# KiCad board Breadboard_power_supply.kicad_pcb
title: Breadboard power supply board; date: 2021-07-08; rev: V1.1.1.; company: SOLDERED; note: 333084
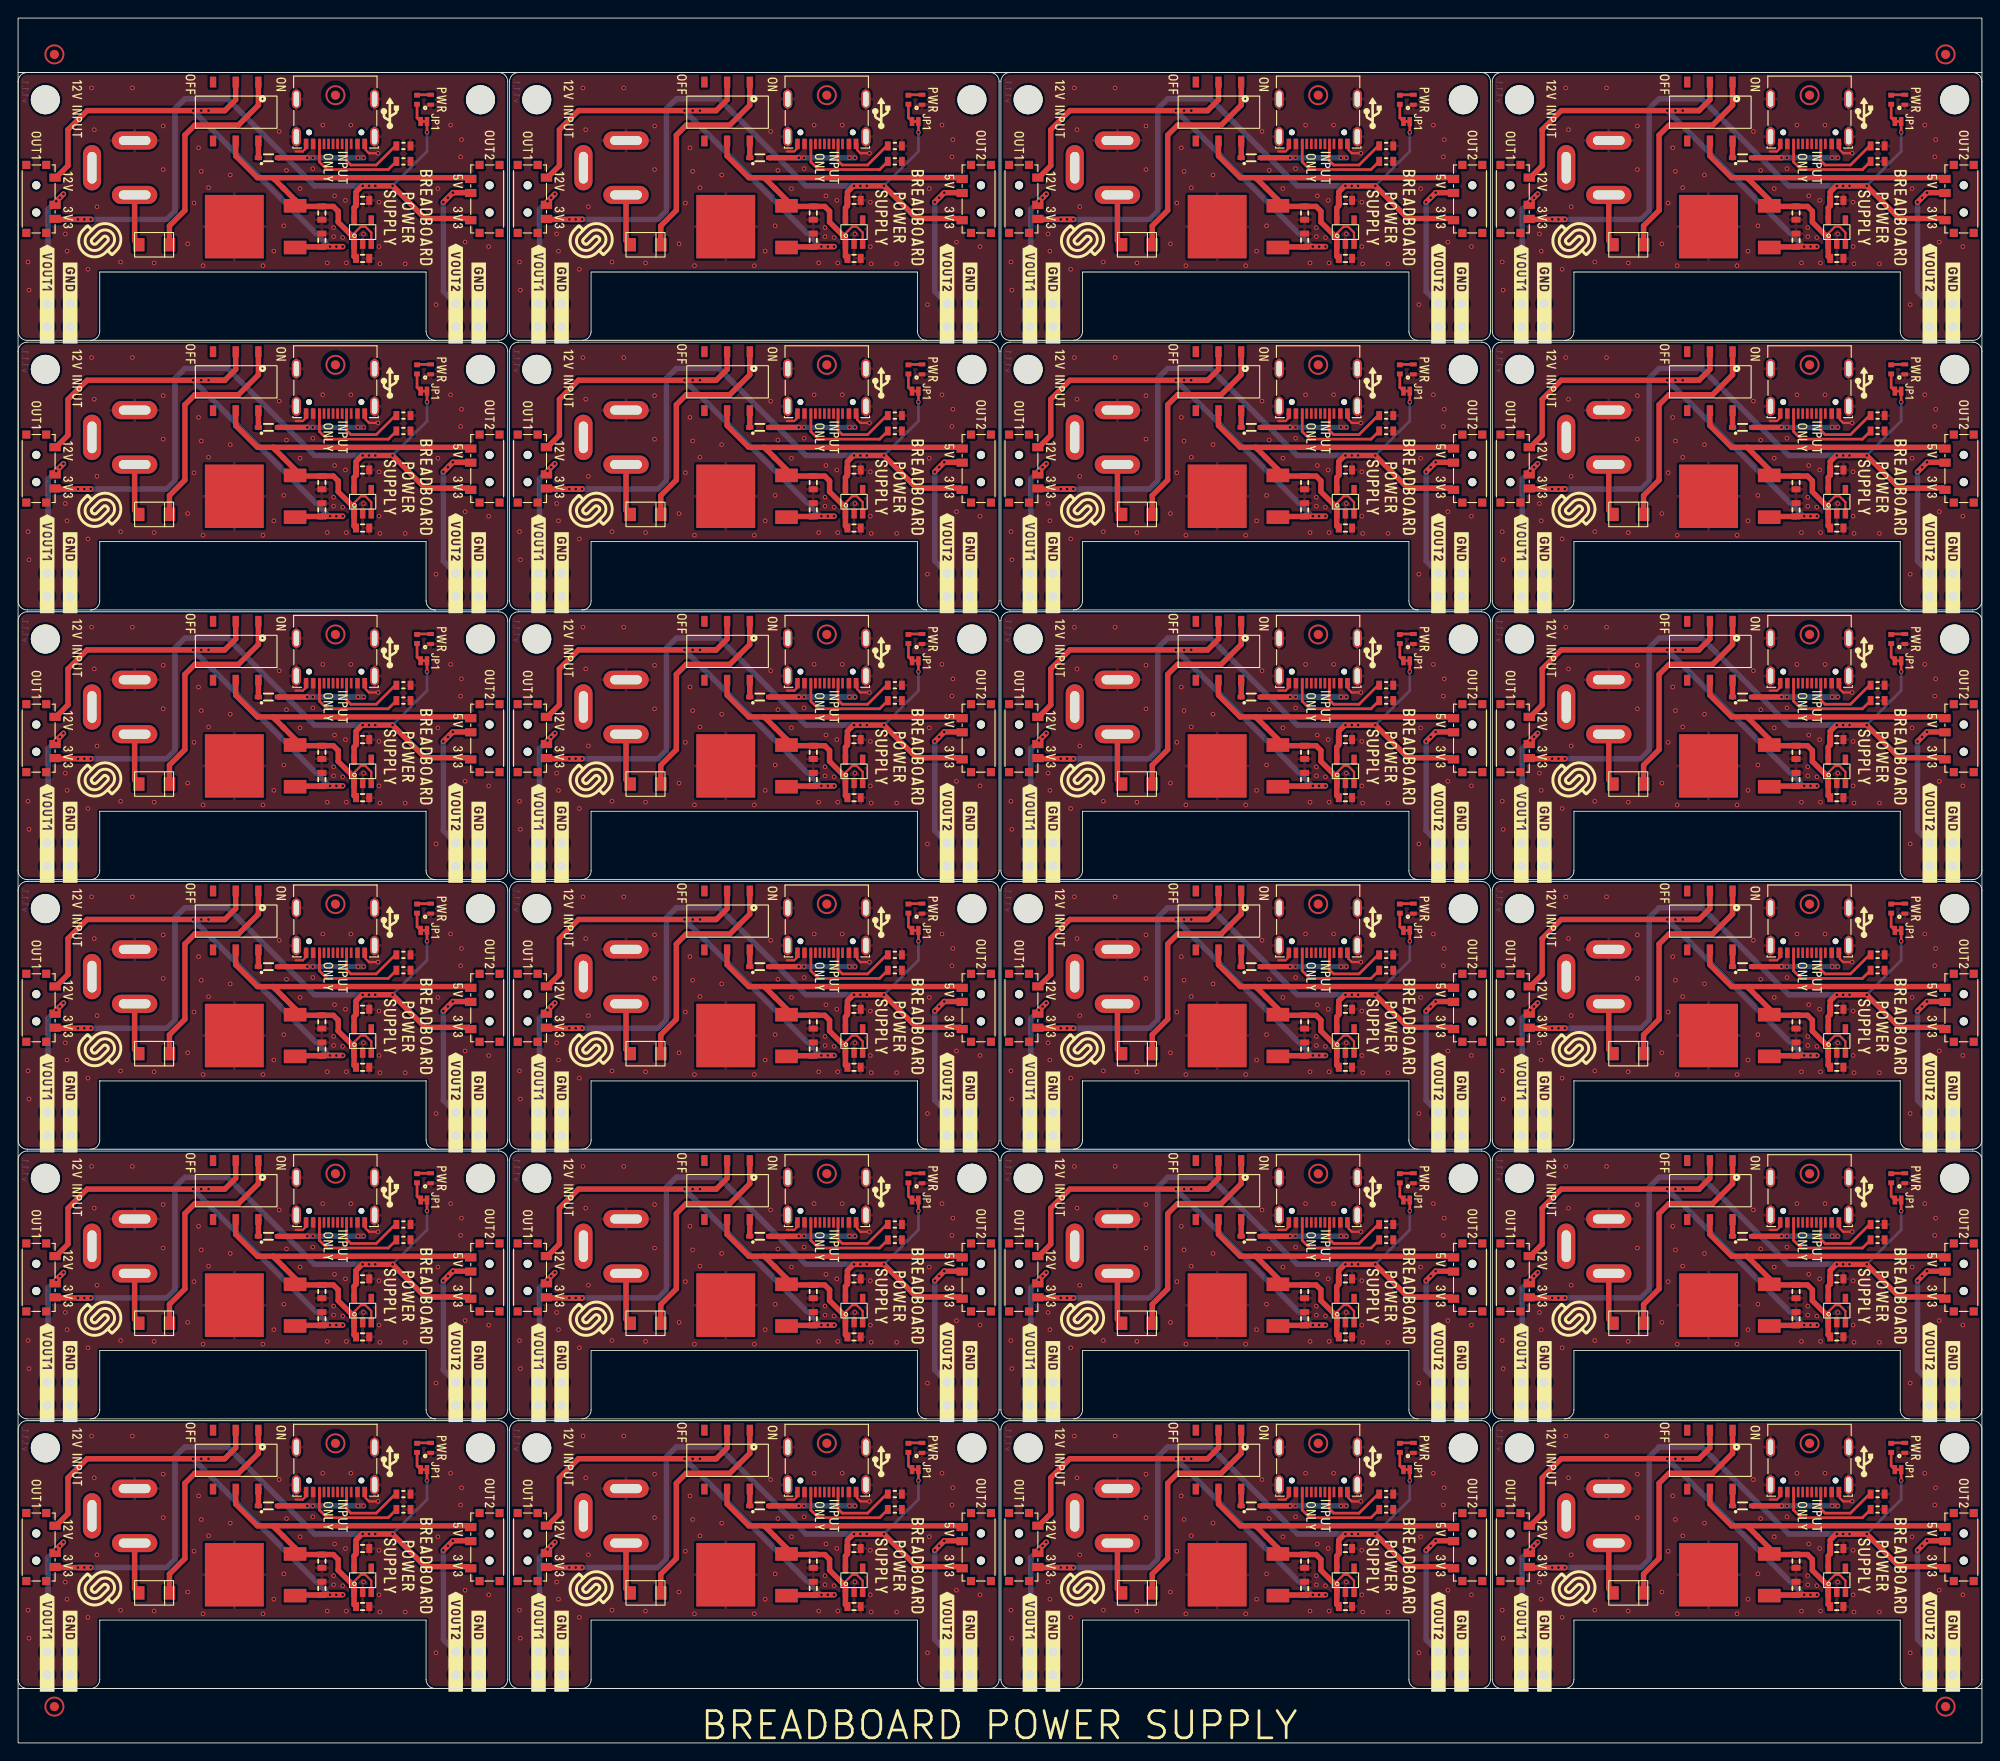
[diagram p0: board, top side]
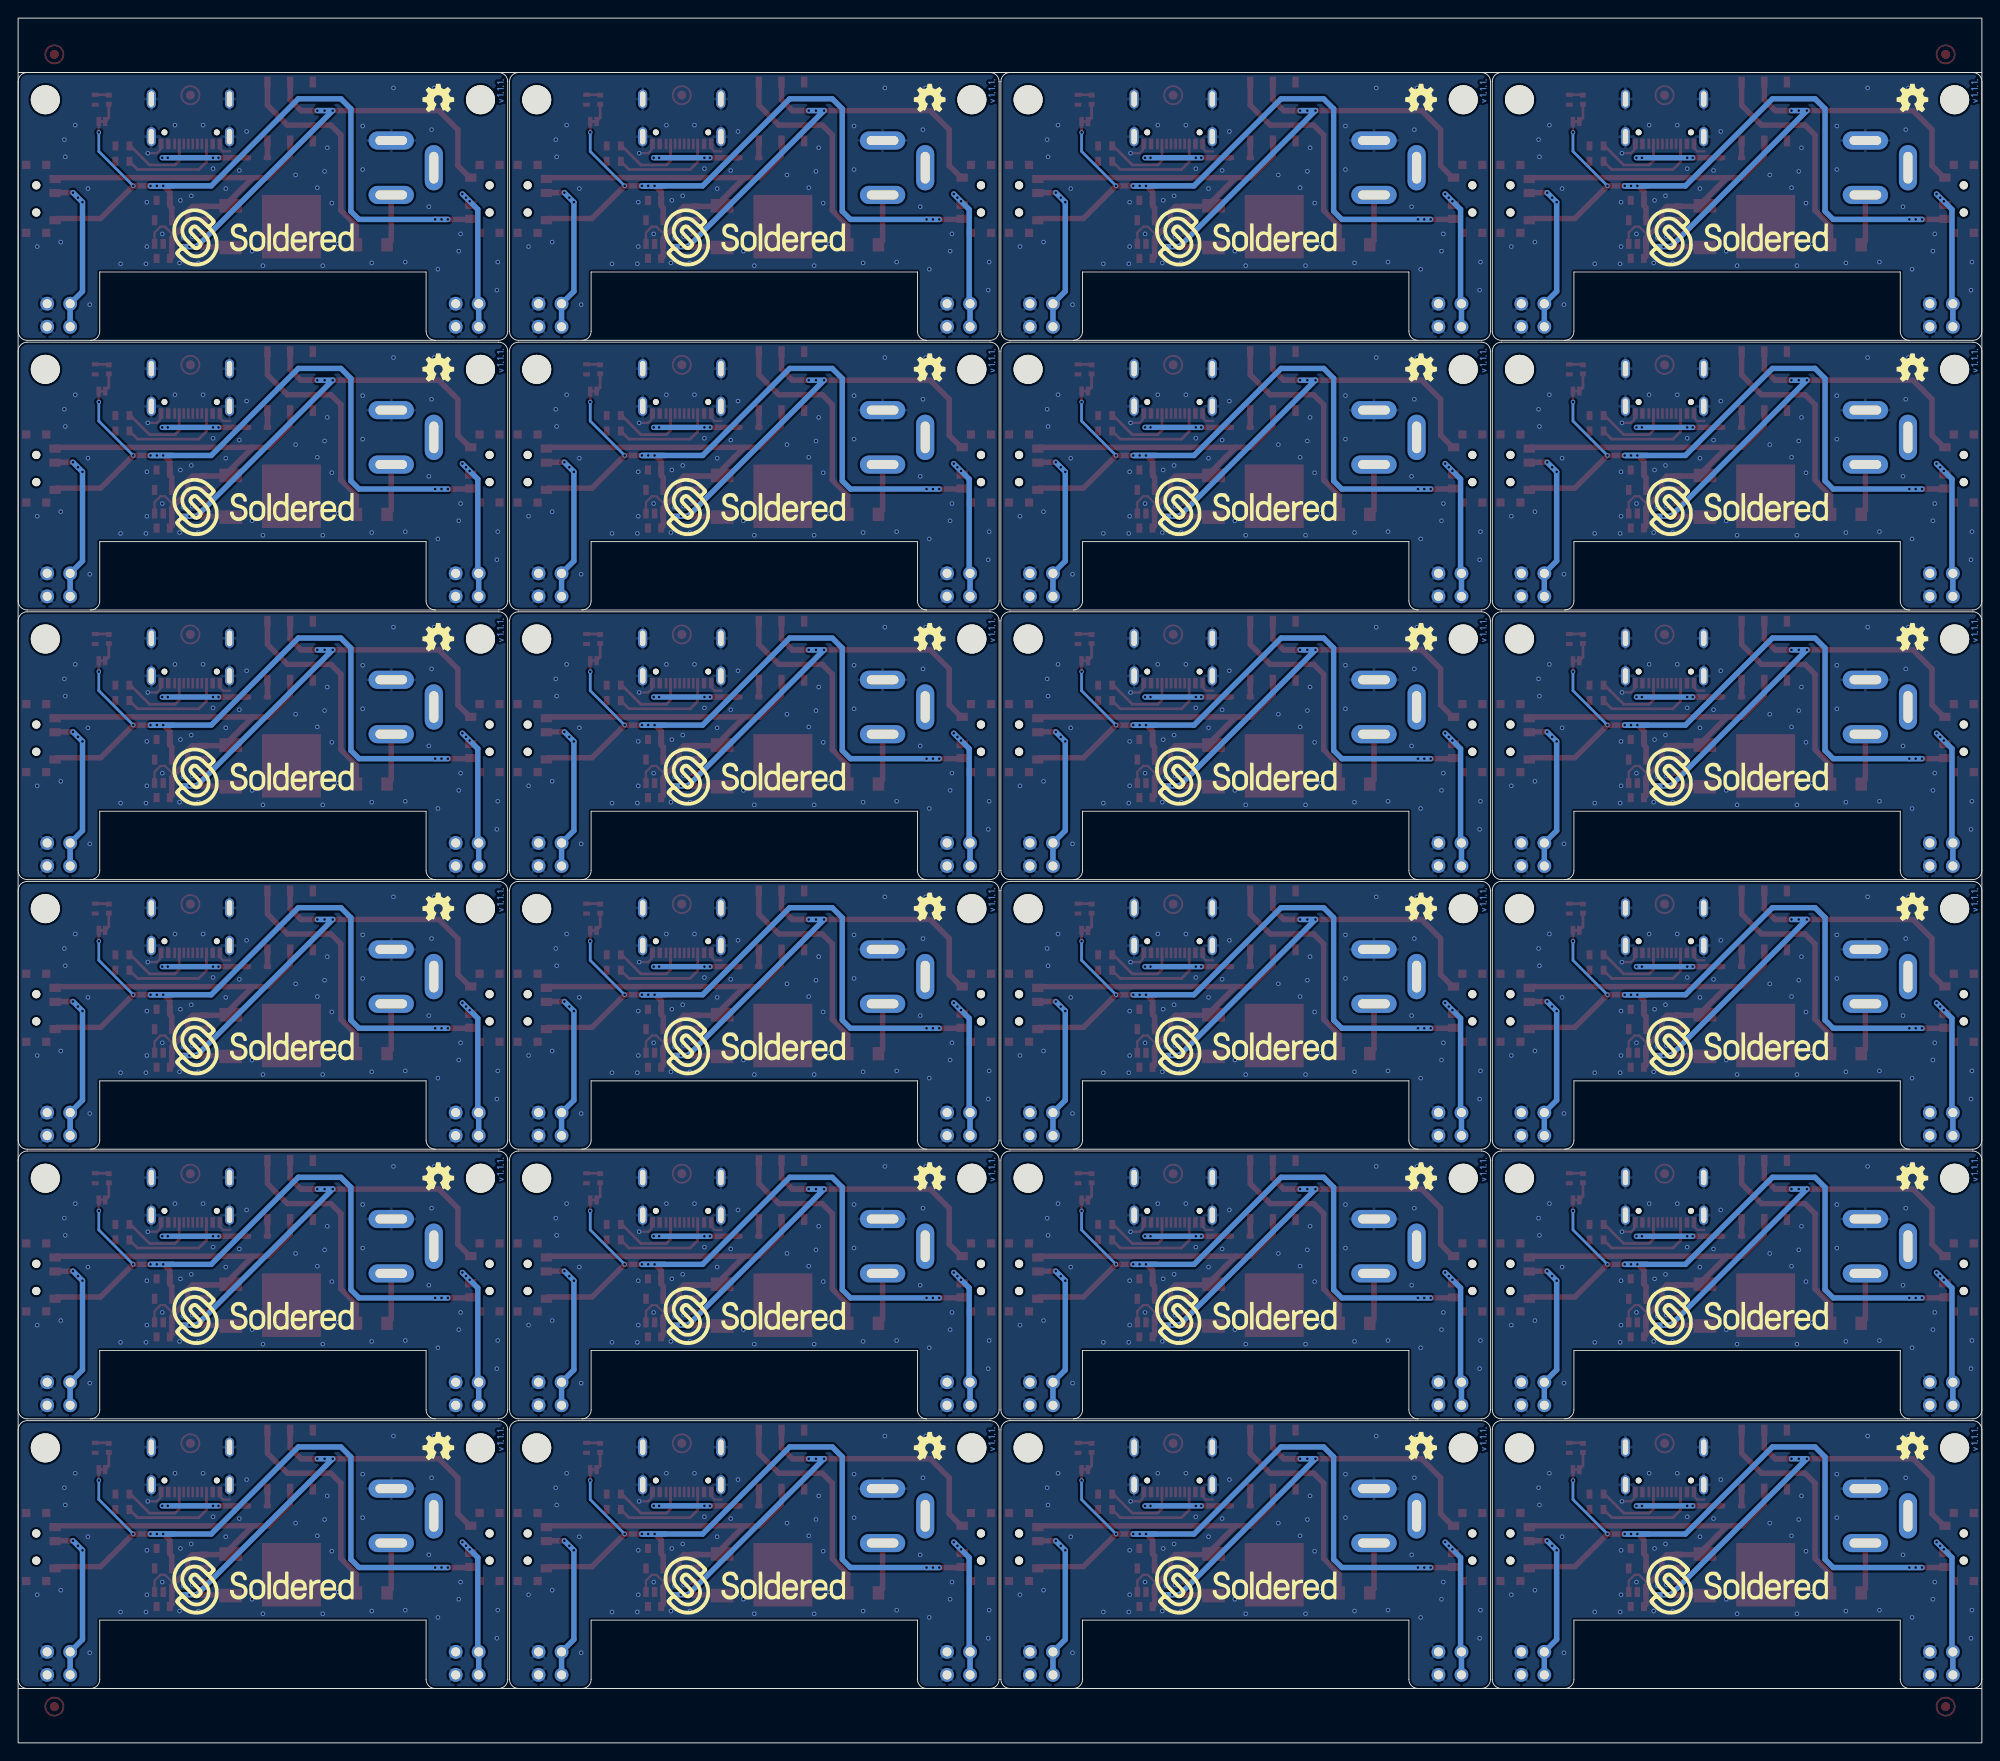
[diagram p1: board, bottom side, seen from below]

Outline 216.6 x 190.24 mm; copper layers: Top, Bottom. Coordinates in mm from the lower left corner of the outline.
Outline path: rectangle 0,190.24 216.6,184.24 ; rectangle 0,184.24 216.6,6 ; rectangle 0,6 216.6,0 ; 8,154.7 1,154.7 arc(0.29,154.99) 0,155.7 0,183.24 arc(0.29,183.95) 1,184.24 53,184.24 arc(53.71,183.95) 54,183.24 54,155.7 arc(53.71,154.99) 53,154.7 46,154.7 ; 8,154.7 46,154.7 ; 8,154.7 arc(8.71,154.99) 9,155.7 9,162.24 45,162.24 45,155.7 arc(45.29,154.99) 46,154.7 ; 8,124.96 1,124.96 arc(0.29,125.25) 0,125.96 0,153.5 arc(0.29,154.21) 1,154.5 53,154.5 arc(53.71,154.21) 54,153.5 54,125.96 arc(53.71,125.25) 53,124.96 46,124.96 ; 8,124.96 46,124.96 ; 8,124.96 arc(8.71,125.25) 9,125.96 9,132.5 45,132.5 45,125.96 arc(45.29,125.25) 46,124.96 ; 8,95.22 1,95.22 arc(0.29,95.51) 0,96.22 0,123.76 arc(0.29,124.47) 1,124.76 53,124.76 arc(53.71,124.47) 54,123.76 54,96.22 arc(53.71,95.51) 53,95.22 46,95.22 ; 8,95.22 46,95.22 ; 8,95.22 arc(8.71,95.51) 9,96.22 9,102.76 45,102.76 45,96.22 arc(45.29,95.51) 46,95.22 ; 8,65.48 1,65.48 arc(0.29,65.77) 0,66.48 0,94.02 arc(0.29,94.73) 1,95.02 53,95.02 arc(53.71,94.73) 54,94.02 54,66.48 arc(53.71,65.77) 53,65.48 46,65.48 ; 8,65.48 46,65.48 ; 8,65.48 arc(8.71,65.77) 9,66.48 9,73.02 45,73.02 45,66.48 arc(45.29,65.77) 46,65.48 ; 8,35.74 1,35.74 arc(0.29,36.03) 0,36.74 0,64.28 arc(0.29,64.99) 1,65.28 53,65.28 arc(53.71,64.99) 54,64.28 54,36.74 arc(53.71,36.03) 53,35.74 46,35.74 ; 8,35.74 46,35.74 ; 8,35.74 arc(8.71,36.03) 9,36.74 9,43.28 45,43.28 45,36.74 arc(45.29,36.03) 46,35.74 ; 62.2,154.7 55.2,154.7 arc(54.49,154.99) 54.2,155.7 54.2,183.24 arc(54.49,183.95) 55.2,184.24 107.2,184.24 arc(107.91,183.95) 108.2,183.24 108.2,155.7 arc(107.91,154.99) 107.2,154.7 100.2,154.7 ; 62.2,154.7 100.2,154.7 ; 62.2,154.7 arc(62.91,154.99) 63.2,155.7 63.2,162.24 99.2,162.24 99.2,155.7 arc(99.49,154.99) 100.2,154.7 ; 62.2,124.96 55.2,124.96 arc(54.49,125.25) 54.2,125.96 54.2,153.5 arc(54.49,154.21) 55.2,154.5 107.2,154.5 arc(107.91,154.21) 108.2,153.5 108.2,125.96 arc(107.91,125.25) 107.2,124.96 100.2,124.96 ; 62.2,124.96 100.2,124.96 ; 62.2,124.96 arc(62.91,125.25) 63.2,125.96 63.2,132.5 99.2,132.5 99.2,125.96 arc(99.49,125.25) 100.2,124.96 ; 62.2,95.22 55.2,95.22 arc(54.49,95.51) 54.2,96.22 54.2,123.76 arc(54.49,124.47) 55.2,124.76 107.2,124.76 arc(107.91,124.47) 108.2,123.76 108.2,96.22 arc(107.91,95.51) 107.2,95.22 100.2,95.22 ; 62.2,95.22 100.2,95.22 ; 62.2,95.22 arc(62.91,95.51) 63.2,96.22 63.2,102.76 99.2,102.76 99.2,96.22 arc(99.49,95.51) 100.2,95.22 ; 62.2,65.48 55.2,65.48 arc(54.49,65.77) 54.2,66.48 54.2,94.02 arc(54.49,94.73) 55.2,95.02 107.2,95.02 arc(107.91,94.73) 108.2,94.02 108.2,66.48 arc(107.91,65.77) 107.2,65.48 100.2,65.48 ; 62.2,65.48 100.2,65.48 ; 62.2,65.48 arc(62.91,65.77) 63.2,66.48 63.2,73.02 99.2,73.02 99.2,66.48 arc(99.49,65.77) 100.2,65.48 ; 62.2,35.74 55.2,35.74 arc(54.49,36.03) 54.2,36.74 54.2,64.28 arc(54.49,64.99) 55.2,65.28 107.2,65.28 arc(107.91,64.99) 108.2,64.28 108.2,36.74 arc(107.91,36.03) 107.2,35.74 100.2,35.74 ; 62.2,35.74 100.2,35.74 ; 62.2,35.74 arc(62.91,36.03) 63.2,36.74 63.2,43.28 99.2,43.28 99.2,36.74 arc(99.49,36.03) 100.2,35.74 ; 116.4,154.7 109.4,154.7 arc(108.69,154.99) 108.4,155.7 108.4,183.24 arc(108.69,183.95) 109.4,184.24 161.4,184.24 arc(162.11,183.95) 162.4,183.24 162.4,155.7 arc(162.11,154.99) 161.4,154.7 154.4,154.7 ; 116.4,154.7 154.4,154.7 ; 116.4,154.7 arc(117.11,154.99) 117.4,155.7 117.4,162.24 153.4,162.24 153.4,155.7 arc(153.69,154.99) 154.4,154.7 ; 116.4,124.96 109.4,124.96 arc(108.69,125.25) 108.4,125.96 108.4,153.5 arc(108.69,154.21) 109.4,154.5 161.4,154.5 arc(162.11,154.21) 162.4,153.5 162.4,125.96 arc(162.11,125.25) 161.4,124.96 154.4,124.96 ; 116.4,124.96 154.4,124.96 ; 116.4,124.96 arc(117.11,125.25) 117.4,125.96 117.4,132.5 153.4,132.5 153.4,125.96 arc(153.69,125.25) 154.4,124.96 ; 116.4,95.22 109.4,95.22 arc(108.69,95.51) 108.4,96.22 108.4,123.76 arc(108.69,124.47) 109.4,124.76 161.4,124.76 arc(162.11,124.47) 162.4,123.76 162.4,96.22 arc(162.11,95.51) 161.4,95.22 154.4,95.22 ; 116.4,95.22 154.4,95.22 ; 116.4,95.22 arc(117.11,95.51) 117.4,96.22 117.4,102.76 153.4,102.76 153.4,96.22 arc(153.69,95.51) 154.4,95.22 ; 116.4,65.48 109.4,65.48 arc(108.69,65.77) 108.4,66.48 108.4,94.02 arc(108.69,94.73) 109.4,95.02 161.4,95.02 arc(162.11,94.73) 162.4,94.02 162.4,66.48 arc(162.11,65.77) 161.4,65.48 154.4,65.48 ; 116.4,65.48 154.4,65.48 ; 116.4,65.48 arc(117.11,65.77) 117.4,66.48 117.4,73.02 153.4,73.02 153.4,66.48 arc(153.69,65.77) 154.4,65.48 ; 116.4,35.74 109.4,35.74 arc(108.69,36.03) 108.4,36.74 108.4,64.28 arc(108.69,64.99) 109.4,65.28 161.4,65.28 arc(162.11,64.99) 162.4,64.28 162.4,36.74 arc(162.11,36.03) 161.4,35.74 154.4,35.74 ; 116.4,35.74 154.4,35.74 ; 116.4,35.74 arc(117.11,36.03) 117.4,36.74 117.4,43.28 153.4,43.28 153.4,36.74 arc(153.69,36.03) 154.4,35.74 ; 170.6,154.7 163.6,154.7 arc(162.89,154.99) 162.6,155.7 162.6,183.24 arc(162.89,183.95) 163.6,184.24 215.6,184.24 arc(216.31,183.95) 216.6,183.24 216.6,155.7 arc(216.31,154.99) 215.6,154.7 208.6,154.7 ; 170.6,154.7 208.6,154.7 ; 170.6,154.7 arc(171.31,154.99) 171.6,155.7 171.6,162.24 207.6,162.24 207.6,155.7 arc(207.89,154.99) 208.6,154.7 ; 170.6,124.96 163.6,124.96 arc(162.89,125.25) 162.6,125.96 162.6,153.5 arc(162.89,154.21) 163.6,154.5 215.6,154.5 arc(216.31,154.21) 216.6,153.5 216.6,125.96 arc(216.31,125.25) 215.6,124.96 208.6,124.96 ; 170.6,124.96 208.6,124.96 ; 170.6,124.96 arc(171.31,125.25) 171.6,125.96 171.6,132.5 207.6,132.5 207.6,125.96 arc(207.89,125.25) 208.6,124.96 ; 170.6,95.22 163.6,95.22 arc(162.89,95.51) 162.6,96.22 162.6,123.76 arc(162.89,124.47) 163.6,124.76 215.6,124.76 arc(216.31,124.47) 216.6,123.76 216.6,96.22 arc(216.31,95.51) 215.6,95.22 208.6,95.22 ; 170.6,95.22 208.6,95.22 ; 170.6,95.22 arc(171.31,95.51) 171.6,96.22 171.6,102.76 207.6,102.76 207.6,96.22 arc(207.89,95.51) 208.6,95.22 ; 170.6,65.48 163.6,65.48 arc(162.89,65.77) 162.6,66.48 162.6,94.02 arc(162.89,94.73) 163.6,95.02 215.6,95.02 arc(216.31,94.73) 216.6,94.02 216.6,66.48 arc(216.31,65.77) 215.6,65.48 208.6,65.48 ; 170.6,65.48 208.6,65.48 ; 170.6,65.48 arc(171.31,65.77) 171.6,66.48 171.6,73.02 207.6,73.02 207.6,66.48 arc(207.89,65.77) 208.6,65.48 ; 170.6,35.74 163.6,35.74 arc(162.89,36.03) 162.6,36.74 162.6,64.28 arc(162.89,64.99) 163.6,65.28 215.6,65.28 arc(216.31,64.99) 216.6,64.28 216.6,36.74 arc(216.31,36.03) 215.6,35.74 208.6,35.74 ; 170.6,35.74 208.6,35.74 ; 170.6,35.74 arc(171.31,36.03) 171.6,36.74 171.6,43.28 207.6,43.28 207.6,36.74 arc(207.89,36.03) 208.6,35.74 ; 0,34.54 arc(0.29,35.25) 1,35.54 53,35.54 arc(53.71,35.25) 54,34.54 54,7 arc(53.71,6.29) 53,6 46,6 arc(45.29,6.29) 45,7 45,13.54 9,13.54 9,7 arc(8.71,6.29) 8,6 1,6 arc(0.29,6.29) 0,7 0,34.54 ; 54.2,34.54 arc(54.49,35.25) 55.2,35.54 107.2,35.54 arc(107.91,35.25) 108.2,34.54 108.2,7 arc(107.91,6.29) 107.2,6 100.2,6 arc(99.49,6.29) 99.2,7 99.2,13.54 63.2,13.54 63.2,7 arc(62.91,6.29) 62.2,6 55.2,6 arc(54.49,6.29) 54.2,7 54.2,34.54 ; 108.4,34.54 arc(108.69,35.25) 109.4,35.54 161.4,35.54 arc(162.11,35.25) 162.4,34.54 162.4,7 arc(162.11,6.29) 161.4,6 154.4,6 arc(153.69,6.29) 153.4,7 153.4,13.54 117.4,13.54 117.4,7 arc(117.11,6.29) 116.4,6 109.4,6 arc(108.69,6.29) 108.4,7 108.4,34.54 ; 162.6,34.54 arc(162.89,35.25) 163.6,35.54 215.6,35.54 arc(216.31,35.25) 216.6,34.54 216.6,7 arc(216.31,6.29) 215.6,6 208.6,6 arc(207.89,6.29) 207.6,7 207.6,13.54 171.6,13.54 171.6,7 arc(171.31,6.29) 170.6,6 163.6,6 arc(162.89,6.29) 162.6,7 162.6,34.54
Stack: Top 0.035mm / dielectric 1.51mm FR4 er 4.5 / Bottom 0.035mm

## Placement (name value [footprint] x y rotation side)
C1  2.2uF  [0603C]  200.6 163.74 180 top
C1#2  2.2uF  [0603C]  38 104.26 180 top
C1#3  2.2uF  [0603C]  38 74.52 180 top
C1#4  2.2uF  [0603C]  146.4 104.26 180 top
C1#5  2.2uF  [0603C]  38 163.74 180 top
C1#6  2.2uF  [0603C]  146.4 15.04 180 top
C1#7  2.2uF  [0603C]  200.6 15.04 180 top
C1#8  2.2uF  [0603C]  38 15.04 180 top
C1#9  2.2uF  [0603C]  92.2 74.52 180 top
C1#10  2.2uF  [0603C]  146.4 74.52 180 top
C1#11  2.2uF  [0603C]  92.2 15.04 180 top
C1#12  2.2uF  [0603C]  200.6 74.52 180 top
C1#13  2.2uF  [0603C]  92.2 104.26 180 top
C1#14  2.2uF  [0603C]  92.2 134 180 top
C1#15  2.2uF  [0603C]  38 134 180 top
C1#16  2.2uF  [0603C]  146.4 44.78 180 top
C1#17  2.2uF  [0603C]  92.2 163.74 180 top
C1#18  2.2uF  [0603C]  146.4 163.74 180 top
C1#19  2.2uF  [0603C]  92.2 44.78 180 top
C1#20  2.2uF  [0603C]  200.6 134 180 top
C1#21  2.2uF  [0603C]  200.6 104.26 180 top
C1#22  2.2uF  [0603C]  200.6 44.78 180 top
C1#23  2.2uF  [0603C]  38 44.78 180 top
C1#24  2.2uF  [0603C]  146.4 134 180 top
C2  1uF  [0603C]  33.5 17.04 270 top
C2#2  1uF  [0603C]  141.9 46.78 270 top
C2#3  1uF  [0603C]  87.7 76.52 270 top
C2#4  1uF  [0603C]  33.5 165.74 270 top
C2#5  1uF  [0603C]  87.7 106.26 270 top
C2#6  1uF  [0603C]  87.7 46.78 270 top
C2#7  1uF  [0603C]  196.1 136 270 top
C2#8  1uF  [0603C]  141.9 106.26 270 top
C2#9  1uF  [0603C]  196.1 17.04 270 top
C2#10  1uF  [0603C]  196.1 165.74 270 top
C2#11  1uF  [0603C]  196.1 76.52 270 top
C2#12  1uF  [0603C]  141.9 136 270 top
C2#13  1uF  [0603C]  141.9 165.74 270 top
C2#14  1uF  [0603C]  141.9 17.04 270 top
C2#15  1uF  [0603C]  33.5 76.52 270 top
C2#16  1uF  [0603C]  87.7 165.74 270 top
C2#17  1uF  [0603C]  141.9 76.52 270 top
C2#18  1uF  [0603C]  87.7 136 270 top
C2#19  1uF  [0603C]  33.5 136 270 top
C2#20  1uF  [0603C]  196.1 46.78 270 top
C2#21  1uF  [0603C]  33.5 106.26 270 top
C2#22  1uF  [0603C]  87.7 17.04 270 top
C2#23  1uF  [0603C]  196.1 106.26 270 top
C2#24  1uF  [0603C]  33.5 46.78 270 top
C3  0.1uF  [0603C]  33.5 79.52 90 top
C3#2  0.1uF  [0603C]  87.7 79.52 90 top
C3#3  0.1uF  [0603C]  33.5 109.26 90 top
C3#4  0.1uF  [0603C]  141.9 109.26 90 top
C3#5  0.1uF  [0603C]  33.5 49.78 90 top
C3#6  0.1uF  [0603C]  196.1 79.52 90 top
C3#7  0.1uF  [0603C]  141.9 168.74 90 top
C3#8  0.1uF  [0603C]  87.7 139 90 top
C3#9  0.1uF  [0603C]  196.1 139 90 top
C3#10  0.1uF  [0603C]  141.9 79.52 90 top
C3#11  0.1uF  [0603C]  141.9 49.78 90 top
C3#12  0.1uF  [0603C]  33.5 20.04 90 top
C3#13  0.1uF  [0603C]  196.1 168.74 90 top
C3#14  0.1uF  [0603C]  87.7 109.26 90 top
C3#15  0.1uF  [0603C]  196.1 20.04 90 top
C3#16  0.1uF  [0603C]  87.7 168.74 90 top
C3#17  0.1uF  [0603C]  141.9 20.04 90 top
C3#18  0.1uF  [0603C]  33.5 139 90 top
C3#19  0.1uF  [0603C]  196.1 49.78 90 top
C3#20  0.1uF  [0603C]  87.7 49.78 90 top
C3#21  0.1uF  [0603C]  141.9 139 90 top
C3#22  0.1uF  [0603C]  33.5 168.74 90 top
C3#23  0.1uF  [0603C]  87.7 20.04 90 top
C3#24  0.1uF  [0603C]  196.1 109.26 90 top
C4  2.2uF  [0603C]  200.6 80.92 180 top
C4#2  2.2uF  [0603C]  92.2 51.18 180 top
C4#3  2.2uF  [0603C]  200.6 21.44 180 top
C4#4  2.2uF  [0603C]  200.6 110.66 180 top
C4#5  2.2uF  [0603C]  146.4 80.92 180 top
C4#6  2.2uF  [0603C]  200.6 140.4 180 top
C4#7  2.2uF  [0603C]  146.4 21.44 180 top
C4#8  2.2uF  [0603C]  92.2 140.4 180 top
C4#9  2.2uF  [0603C]  38 140.4 180 top
C4#10  2.2uF  [0603C]  200.6 51.18 180 top
C4#11  2.2uF  [0603C]  38 170.14 180 top
C4#12  2.2uF  [0603C]  38 51.18 180 top
C4#13  2.2uF  [0603C]  38 110.66 180 top
C4#14  2.2uF  [0603C]  38 80.92 180 top
C4#15  2.2uF  [0603C]  38 21.44 180 top
C4#16  2.2uF  [0603C]  146.4 51.18 180 top
C4#17  2.2uF  [0603C]  92.2 80.92 180 top
C4#18  2.2uF  [0603C]  92.2 170.14 180 top
C4#19  2.2uF  [0603C]  146.4 170.14 180 top
C4#20  2.2uF  [0603C]  146.4 110.66 180 top
C4#21  2.2uF  [0603C]  146.4 140.4 180 top
C4#22  2.2uF  [0603C]  200.6 170.14 180 top
C4#23  2.2uF  [0603C]  92.2 110.66 180 top
C4#24  2.2uF  [0603C]  92.2 21.44 180 top
D1  BAT20J  [SOD-323]  190.2 174.84 180 top
D1#2  BAT20J  [SOD-323]  27.6 85.62 180 top
D1#3  BAT20J  [SOD-323]  81.8 26.14 180 top
D1#4  BAT20J  [SOD-323]  81.8 174.84 180 top
D1#5  BAT20J  [SOD-323]  27.6 55.88 180 top
D1#6  BAT20J  [SOD-323]  190.2 115.36 180 top
D1#7  BAT20J  [SOD-323]  136 26.14 180 top
D1#8  BAT20J  [SOD-323]  136 115.36 180 top
D1#9  BAT20J  [SOD-323]  136 85.62 180 top
D1#10  BAT20J  [SOD-323]  27.6 145.1 180 top
D1#11  BAT20J  [SOD-323]  190.2 85.62 180 top
D1#12  BAT20J  [SOD-323]  190.2 145.1 180 top
D1#13  BAT20J  [SOD-323]  81.8 115.36 180 top
D1#14  BAT20J  [SOD-323]  27.6 26.14 180 top
D1#15  BAT20J  [SOD-323]  27.6 115.36 180 top
D1#16  BAT20J  [SOD-323]  136 174.84 180 top
D1#17  BAT20J  [SOD-323]  190.2 55.88 180 top
D1#18  BAT20J  [SOD-323]  136 55.88 180 top
D1#19  BAT20J  [SOD-323]  81.8 145.1 180 top
D1#20  BAT20J  [SOD-323]  81.8 55.88 180 top
D1#21  BAT20J  [SOD-323]  136 145.1 180 top
D1#22  BAT20J  [SOD-323]  190.2 26.14 180 top
D1#23  BAT20J  [SOD-323]  81.8 85.62 180 top
D1#24  BAT20J  [SOD-323]  27.6 174.84 180 top
D2  -  [M4_DIODA]  177.6 165.24 0 top
D2#2  -  [M4_DIODA]  15 105.76 0 top
D2#3  -  [M4_DIODA]  15 46.28 0 top
D2#4  -  [M4_DIODA]  123.4 46.28 0 top
D2#5  -  [M4_DIODA]  177.6 76.02 0 top
D2#6  -  [M4_DIODA]  123.4 165.24 0 top
D2#7  -  [M4_DIODA]  123.4 76.02 0 top
D2#8  -  [M4_DIODA]  123.4 16.54 0 top
D2#9  -  [M4_DIODA]  69.2 135.5 0 top
D2#10  -  [M4_DIODA]  69.2 46.28 0 top
D2#11  -  [M4_DIODA]  123.4 135.5 0 top
D2#12  -  [M4_DIODA]  15 76.02 0 top
D2#13  -  [M4_DIODA]  69.2 165.24 0 top
D2#14  -  [M4_DIODA]  177.6 135.5 0 top
D2#15  -  [M4_DIODA]  69.2 76.02 0 top
D2#16  -  [M4_DIODA]  15 135.5 0 top
D2#17  -  [M4_DIODA]  15 16.54 0 top
D2#18  -  [M4_DIODA]  123.4 105.76 0 top
D2#19  -  [M4_DIODA]  69.2 105.76 0 top
D2#20  -  [M4_DIODA]  15 165.24 0 top
D2#21  -  [M4_DIODA]  177.6 46.28 0 top
D2#22  -  [M4_DIODA]  69.2 16.54 0 top
D2#23  -  [M4_DIODA]  177.6 105.76 0 top
D2#24  -  [M4_DIODA]  177.6 16.54 0 top
D3  purple  [0402LED]  208.1 151.5 270 top
D3#2  purple  [0402LED]  153.9 181.24 270 top
D3#3  purple  [0402LED]  153.9 121.76 270 top
D3#4  purple  [0402LED]  208.1 121.76 270 top
D3#5  purple  [0402LED]  45.5 121.76 270 top
D3#6  purple  [0402LED]  208.1 62.28 270 top
D3#7  purple  [0402LED]  153.9 32.54 270 top
D3#8  purple  [0402LED]  45.5 62.28 270 top
D3#9  purple  [0402LED]  99.7 121.76 270 top
D3#10  purple  [0402LED]  208.1 32.54 270 top
D3#11  purple  [0402LED]  99.7 92.02 270 top
D3#12  purple  [0402LED]  45.5 151.5 270 top
D3#13  purple  [0402LED]  45.5 92.02 270 top
D3#14  purple  [0402LED]  153.9 151.5 270 top
D3#15  purple  [0402LED]  153.9 92.02 270 top
D3#16  purple  [0402LED]  99.7 151.5 270 top
D3#17  purple  [0402LED]  45.5 181.24 270 top
D3#18  purple  [0402LED]  153.9 62.28 270 top
D3#19  purple  [0402LED]  45.5 32.54 270 top
D3#20  purple  [0402LED]  99.7 62.28 270 top
D3#21  purple  [0402LED]  208.1 181.24 270 top
D3#22  purple  [0402LED]  99.7 32.54 270 top
D3#23  purple  [0402LED]  99.7 181.24 270 top
D3#24  purple  [0402LED]  208.1 92.02 270 top
FD1  FIDUCIAL  [FIDUCIAL_23]  89.2 152 270 top
FD1#2  FIDUCIAL  [FIDUCIAL_23]  35 33.04 270 top
FD1#3  FIDUCIAL  [FIDUCIAL_23]  143.4 152 270 top
FD1#4  FIDUCIAL  [FIDUCIAL_23]  143.4 92.52 270 top
FD1#5  FIDUCIAL  [FIDUCIAL_23]  35 152 270 top
FD1#6  FIDUCIAL  [FIDUCIAL_23]  4 186.24 270 top
FD1#7  FIDUCIAL  [FIDUCIAL_23]  197.6 181.74 270 top
FD1#8  FIDUCIAL  [FIDUCIAL_23]  89.2 62.78 270 top
FD1#9  FIDUCIAL  [FIDUCIAL_23]  212.6 4 270 top
FD1#10  FIDUCIAL  [FIDUCIAL_23]  143.4 62.78 270 top
FD1#11  FIDUCIAL  [FIDUCIAL_23]  197.6 33.04 270 top
FD1#12  FIDUCIAL  [FIDUCIAL_23]  197.6 152 270 top
FD1#13  FIDUCIAL  [FIDUCIAL_23]  89.2 122.26 270 top
FD1#14  FIDUCIAL  [FIDUCIAL_23]  35 181.74 270 top
FD1#15  FIDUCIAL  [FIDUCIAL_23]  143.4 181.74 270 top
FD1#16  FIDUCIAL  [FIDUCIAL_23]  197.6 92.52 270 top
FD1#17  FIDUCIAL  [FIDUCIAL_23]  143.4 33.04 270 top
FD1#18  FIDUCIAL  [FIDUCIAL_23]  197.6 62.78 270 top
FD1#19  FIDUCIAL  [FIDUCIAL_23]  35 122.26 270 top
FD1#20  FIDUCIAL  [FIDUCIAL_23]  197.6 122.26 270 top
FD1#21  FIDUCIAL  [FIDUCIAL_23]  89.2 33.04 270 top
FD1#22  FIDUCIAL  [FIDUCIAL_23]  143.4 122.26 270 top
FD1#23  FIDUCIAL  [FIDUCIAL_23]  89.2 181.74 270 top
FD1#24  FIDUCIAL  [FIDUCIAL_23]  212.6 186.24 270 top
FD1#25  FIDUCIAL  [FIDUCIAL_23]  89.2 92.52 270 top
FD1#26  FIDUCIAL  [FIDUCIAL_23]  35 62.78 270 top
FD1#27  FIDUCIAL  [FIDUCIAL_23]  35 92.52 270 top
FD1#28  FIDUCIAL  [FIDUCIAL_23]  4 4 270 top
G***  LOGO  [Logo-Back-OSH-3.5mm]  170.26 121.95 0 top
G***#2  LOGO  [Logo-Back-OSH-3.5mm]  61.86 62.47 0 top
G***#3  LOGO  [Symbol-Front-USB]  95.2 179.74 0 top
G***#4  LOGO  [Logo-Back-OSH-3.5mm]  170.26 181.43 0 top
G***#5  LOGO  [Logo-Front-Soldered-5mm]  9 136 270 top
G***#6  LOGO  [Logo-Front-Soldered-5mm]  117.4 106.26 270 top
G***#7  LOGO  [Logo-Front-Soldered-5mm]  63.2 136 270 top
G***#8  LOGO  [Logo-Back-OSH-3.5mm]  116.06 151.69 0 top
G***#9  LOGO  [Symbol-Front-USB]  203.6 31.04 0 top
G***#10  LOGO  [Symbol-Front-USB]  41 60.78 0 top
G***#11  LOGO  [Logo-Front-Soldered-5mm]  171.6 46.78 270 top
G***#12  LOGO  [Logo-Back-OSH-3.5mm]  116.06 32.73 0 top
G***#13  LOGO  [Symbol-Front-USB]  41 120.26 0 top
G***#14  LOGO  [Symbol-Front-USB]  203.6 179.74 0 top
G***#15  LOGO  [Symbol-Front-USB]  149.4 60.78 0 top
G***#16  LOGO  [Logo-Front-Soldered-5mm]  117.4 76.52 270 top
G***#17  LOGO  [Symbol-Front-USB]  41 179.74 0 top
G***#18  LOGO  [Logo-Back-OSH-3.5mm]  7.66 92.21 0 top
G***#19  LOGO  [Logo-Back-OSH-3.5mm]  7.66 121.95 0 top
G***#20  LOGO  [Logo-Front-Soldered-5mm]  171.6 76.52 270 top
G***#21  LOGO  [Symbol-Front-USB]  149.4 150 0 top
G***#22  LOGO  [Logo-Front-Soldered-5mm]  117.4 46.78 270 top
G***#23  LOGO  [Logo-Back-OSH-3.5mm]  61.86 181.43 0 top
G***#24  LOGO  [Logo-Front-Soldered-5mm]  117.4 136 270 top
G***#25  LOGO  [Symbol-Front-USB]  95.2 150 0 top
G***#26  LOGO  [Symbol-Front-USB]  95.2 31.04 0 top
G***#27  LOGO  [Logo-Front-Soldered-5mm]  63.2 165.74 270 top
G***#28  LOGO  [Logo-Front-Soldered-5mm]  171.6 106.26 270 top
G***#29  LOGO  [Symbol-Front-USB]  41 150 0 top
G***#30  LOGO  [Symbol-Front-USB]  149.4 179.74 0 top
G***#31  LOGO  [Logo-Back-OSH-3.5mm]  116.06 92.21 0 top
G***#32  LOGO  [Logo-Front-Soldered-5mm]  63.2 76.52 270 top
G***#33  LOGO  [Logo-Front-Soldered-5mm]  9 106.26 270 top
G***#34  LOGO  [Logo-Front-Soldered-5mm]  63.2 46.78 270 top
G***#35  LOGO  [Logo-Front-Soldered-5mm]  9 165.74 270 top
G***#36  LOGO  [Symbol-Front-USB]  149.4 120.26 0 top
G***#37  LOGO  [Logo-Front-Soldered-5mm]  171.6 17.04 270 top
G***#38  LOGO  [Logo-Back-OSH-3.5mm]  170.26 92.21 0 top
G***#39  LOGO  [Symbol-Front-USB]  203.6 60.78 0 top
G***#40  LOGO  [Logo-Back-OSH-3.5mm]  61.86 151.69 0 top
G***#41  LOGO  [Logo-Front-Soldered-5mm]  63.2 17.04 270 top
G***#42  LOGO  [Logo-Back-OSH-3.5mm]  61.86 32.73 0 top
G***#43  LOGO  [Logo-Back-OSH-3.5mm]  116.06 62.47 0 top
G***#44  LOGO  [Logo-Front-Soldered-5mm]  171.6 165.74 270 top
G***#45  LOGO  [Logo-Front-Soldered-5mm]  9 46.78 270 top
G***#46  LOGO  [Logo-Front-Soldered-5mm]  9 76.52 270 top
G***#47  LOGO  [Logo-Front-Soldered-5mm]  117.4 17.04 270 top
G***#48  LOGO  [Symbol-Front-USB]  149.4 90.52 0 top
G***#49  LOGO  [Symbol-Front-USB]  203.6 150 0 top
G***#50  LOGO  [Logo-Front-Soldered-5mm]  171.6 136 270 top
G***#51  LOGO  [Logo-Back-OSH-3.5mm]  61.86 121.95 0 top
G***#52  LOGO  [Symbol-Front-USB]  203.6 120.26 0 top
G***#53  LOGO  [Symbol-Front-USB]  203.6 90.52 0 top
G***#54  LOGO  [Logo-Back-OSH-3.5mm]  170.26 32.73 0 top
G***#55  LOGO  [Symbol-Front-USB]  41 31.04 0 top
G***#56  LOGO  [Symbol-Front-USB]  41 90.52 0 top
G***#57  LOGO  [Logo-Back-OSH-3.5mm]  170.26 62.47 0 top
G***#58  LOGO  [Symbol-Front-USB]  95.2 60.78 0 top
G***#59  LOGO  [Logo-Back-OSH-3.5mm]  7.66 32.73 0 top
G***#60  LOGO  [Logo-Back-OSH-3.5mm]  170.26 151.69 0 top
G***#61  LOGO  [Logo-Back-OSH-3.5mm]  7.66 151.69 0 top
G***#62  LOGO  [Symbol-Front-USB]  149.4 31.04 0 top
G***#63  LOGO  [Logo-Back-OSH-3.5mm]  116.06 121.95 0 top
G***#64  LOGO  [Symbol-Front-USB]  95.2 120.26 0 top
G***#65  LOGO  [Logo-Back-OSH-3.5mm]  61.86 92.21 0 top
G***#66  LOGO  [Logo-Back-OSH-3.5mm]  116.06 181.43 0 top
G***#67  LOGO  [Logo-Front-Soldered-5mm]  9 17.04 270 top
G***#68  LOGO  [Logo-Back-OSH-3.5mm]  7.66 62.47 0 top
G***#69  LOGO  [Logo-Front-Soldered-5mm]  117.4 165.74 270 top
G***#70  LOGO  [Logo-Back-OSH-3.5mm]  7.66 181.43 0 top
G***#71  LOGO  [Symbol-Front-USB]  95.2 90.52 0 top
G***#72  LOGO  [Logo-Front-Soldered-5mm]  63.2 106.26 270 top
H1  -  [HOLE_3.2mm]  213.6 121.76 270 top
H1#2  -  [HOLE_3.2mm]  105.2 181.24 270 top
H1#3  -  [HOLE_3.2mm]  51 32.54 270 top
H1#4  -  [HOLE_3.2mm]  213.6 62.28 270 top
H1#5  -  [HOLE_3.2mm]  159.4 151.5 270 top
H1#6  -  [HOLE_3.2mm]  159.4 62.28 270 top
H1#7  -  [HOLE_3.2mm]  213.6 32.54 270 top
H1#8  -  [HOLE_3.2mm]  105.2 62.28 270 top
H1#9  -  [HOLE_3.2mm]  51 62.28 270 top
H1#10  -  [HOLE_3.2mm]  159.4 181.24 270 top
H1#11  -  [HOLE_3.2mm]  213.6 92.02 270 top
H1#12  -  [HOLE_3.2mm]  51 181.24 270 top
H1#13  -  [HOLE_3.2mm]  51 121.76 270 top
H1#14  -  [HOLE_3.2mm]  51 151.5 270 top
H1#15  -  [HOLE_3.2mm]  105.2 151.5 270 top
H1#16  -  [HOLE_3.2mm]  213.6 151.5 270 top
H1#17  -  [HOLE_3.2mm]  105.2 92.02 270 top
H1#18  -  [HOLE_3.2mm]  105.2 121.76 270 top
H1#19  -  [HOLE_3.2mm]  105.2 32.54 270 top
H1#20  -  [HOLE_3.2mm]  159.4 92.02 270 top
H1#21  -  [HOLE_3.2mm]  159.4 121.76 270 top
H1#22  -  [HOLE_3.2mm]  159.4 32.54 270 top
H1#23  -  [HOLE_3.2mm]  213.6 181.24 270 top
H1#24  -  [HOLE_3.2mm]  51 92.02 270 top
H2  -  [HOLE_3.2mm]  111.4 62.28 270 top
H2#2  -  [HOLE_3.2mm]  3 151.5 270 top
H2#3  -  [HOLE_3.2mm]  57.2 121.76 270 top
H2#4  -  [HOLE_3.2mm]  165.6 62.28 270 top
H2#5  -  [HOLE_3.2mm]  3 121.76 270 top
H2#6  -  [HOLE_3.2mm]  165.6 151.5 270 top
H2#7  -  [HOLE_3.2mm]  57.2 151.5 270 top
H2#8  -  [HOLE_3.2mm]  165.6 92.02 270 top
H2#9  -  [HOLE_3.2mm]  165.6 181.24 270 top
H2#10  -  [HOLE_3.2mm]  111.4 151.5 270 top
H2#11  -  [HOLE_3.2mm]  3 92.02 270 top
H2#12  -  [HOLE_3.2mm]  165.6 121.76 270 top
H2#13  -  [HOLE_3.2mm]  165.6 32.54 270 top
H2#14  -  [HOLE_3.2mm]  111.4 181.24 270 top
H2#15  -  [HOLE_3.2mm]  57.2 32.54 270 top
H2#16  -  [HOLE_3.2mm]  57.2 181.24 270 top
H2#17  -  [HOLE_3.2mm]  57.2 92.02 270 top
H2#18  -  [HOLE_3.2mm]  3 32.54 270 top
H2#19  -  [HOLE_3.2mm]  111.4 32.54 270 top
H2#20  -  [HOLE_3.2mm]  3 62.28 270 top
H2#21  -  [HOLE_3.2mm]  3 181.24 270 top
H2#22  -  [HOLE_3.2mm]  111.4 121.76 270 top
H2#23  -  [HOLE_3.2mm]  57.2 62.28 270 top
H2#24  -  [HOLE_3.2mm]  111.4 92.02 270 top
JP1  -  [SMD-JUMPER-CONNECTED_TRACE_SLODERMASK]  207.35 89.62 180 top
JP1#2  -  [SMD-JUMPER-CONNECTED_TRACE_SLODERMASK]  98.95 149.1 180 top
JP1#3  -  [SMD-JUMPER-CONNECTED_TRACE_SLODERMASK]  44.75 59.88 180 top
JP1#4  -  [SMD-JUMPER-CONNECTED_TRACE_SLODERMASK]  98.95 59.88 180 top
JP1#5  -  [SMD-JUMPER-CONNECTED_TRACE_SLODERMASK]  98.95 30.14 180 top
JP1#6  -  [SMD-JUMPER-CONNECTED_TRACE_SLODERMASK]  153.15 149.1 180 top
JP1#7  -  [SMD-JUMPER-CONNECTED_TRACE_SLODERMASK]  153.15 89.62 180 top
JP1#8  -  [SMD-JUMPER-CONNECTED_TRACE_SLODERMASK]  207.35 178.84 180 top
JP1#9  -  [SMD-JUMPER-CONNECTED_TRACE_SLODERMASK]  207.35 30.14 180 top
JP1#10  -  [SMD-JUMPER-CONNECTED_TRACE_SLODERMASK]  44.75 178.84 180 top
JP1#11  -  [SMD-JUMPER-CONNECTED_TRACE_SLODERMASK]  207.35 59.88 180 top
JP1#12  -  [SMD-JUMPER-CONNECTED_TRACE_SLODERMASK]  153.15 119.36 180 top
JP1#13  -  [SMD-JUMPER-CONNECTED_TRACE_SLODERMASK]  207.35 149.1 180 top
JP1#14  -  [SMD-JUMPER-CONNECTED_TRACE_SLODERMASK]  153.15 59.88 180 top
JP1#15  -  [SMD-JUMPER-CONNECTED_TRACE_SLODERMASK]  98.95 89.62 180 top
JP1#16  -  [SMD-JUMPER-CONNECTED_TRACE_SLODERMASK]  98.95 119.36 180 top
JP1#17  -  [SMD-JUMPER-CONNECTED_TRACE_SLODERMASK]  153.15 178.84 180 top
JP1#18  -  [SMD-JUMPER-CONNECTED_TRACE_SLODERMASK]  207.35 119.36 180 top
JP1#19  -  [SMD-JUMPER-CONNECTED_TRACE_SLODERMASK]  44.75 89.62 180 top
JP1#20  -  [SMD-JUMPER-CONNECTED_TRACE_SLODERMASK]  153.15 30.14 180 top
JP1#21  -  [SMD-JUMPER-CONNECTED_TRACE_SLODERMASK]  98.95 178.84 180 top
JP1#22  -  [SMD-JUMPER-CONNECTED_TRACE_SLODERMASK]  44.75 30.14 180 top
JP1#23  -  [SMD-JUMPER-CONNECTED_TRACE_SLODERMASK]  44.75 119.36 180 top
JP1#24  -  [SMD-JUMPER-CONNECTED_TRACE_SLODERMASK]  44.75 149.1 180 top
K1  -  [U262-161N-4BVC11]  197.6 149.1 180 top
K1#2  -  [U262-161N-4BVC11]  89.2 89.62 180 top
K1#3  -  [U262-161N-4BVC11]  35 178.84 180 top
K1#4  -  [U262-161N-4BVC11]  197.6 59.88 180 top
K1#5  -  [U262-161N-4BVC11]  143.4 30.14 180 top
K1#6  -  [U262-161N-4BVC11]  197.6 178.84 180 top
K1#7  -  [U262-161N-4BVC11]  197.6 119.36 180 top
K1#8  -  [U262-161N-4BVC11]  89.2 149.1 180 top
K1#9  -  [U262-161N-4BVC11]  35 119.36 180 top
K1#10  -  [U262-161N-4BVC11]  197.6 30.14 180 top
K1#11  -  [U262-161N-4BVC11]  35 149.1 180 top
K1#12  -  [U262-161N-4BVC11]  89.2 119.36 180 top
K1#13  -  [U262-161N-4BVC11]  197.6 89.62 180 top
K1#14  -  [U262-161N-4BVC11]  35 59.88 180 top
K1#15  -  [U262-161N-4BVC11]  143.4 89.62 180 top
K1#16  -  [U262-161N-4BVC11]  89.2 59.88 180 top
K1#17  -  [U262-161N-4BVC11]  89.2 178.84 180 top
K1#18  -  [U262-161N-4BVC11]  35 30.14 180 top
K1#19  -  [U262-161N-4BVC11]  35 89.62 180 top
K1#20  -  [U262-161N-4BVC11]  143.4 149.1 180 top
K1#21  -  [U262-161N-4BVC11]  143.4 119.36 180 top
K1#22  -  [U262-161N-4BVC11]  143.4 59.88 180 top
K1#23  -  [U262-161N-4BVC11]  89.2 30.14 180 top
K1#24  -  [U262-161N-4BVC11]  143.4 178.84 180 top
K2  -  [DC_JACK]  64.7 84.52 90 top
K2#2  -  [DC_JACK]  64.7 173.74 90 top
K2#3  -  [DC_JACK]  118.9 173.74 90 top
K2#4  -  [DC_JACK]  10.5 173.74 90 top
K2#5  -  [DC_JACK]  10.5 144 90 top
K2#6  -  [DC_JACK]  64.7 25.04 90 top